# Altium PCB EmitterPCB.PcbDoc
Units mil, origin at the board's own origin, x right, y up, seen from the top; angles counter-clockwise.
Board outline 4305 x 1425 mil, 4 copper layers (Top Layer, Int1 (GND), Int2 (PWR), Bottom Layer), stack 53.912 mil thick; 53 components, 40 nets, 212 pads, 64 vias.
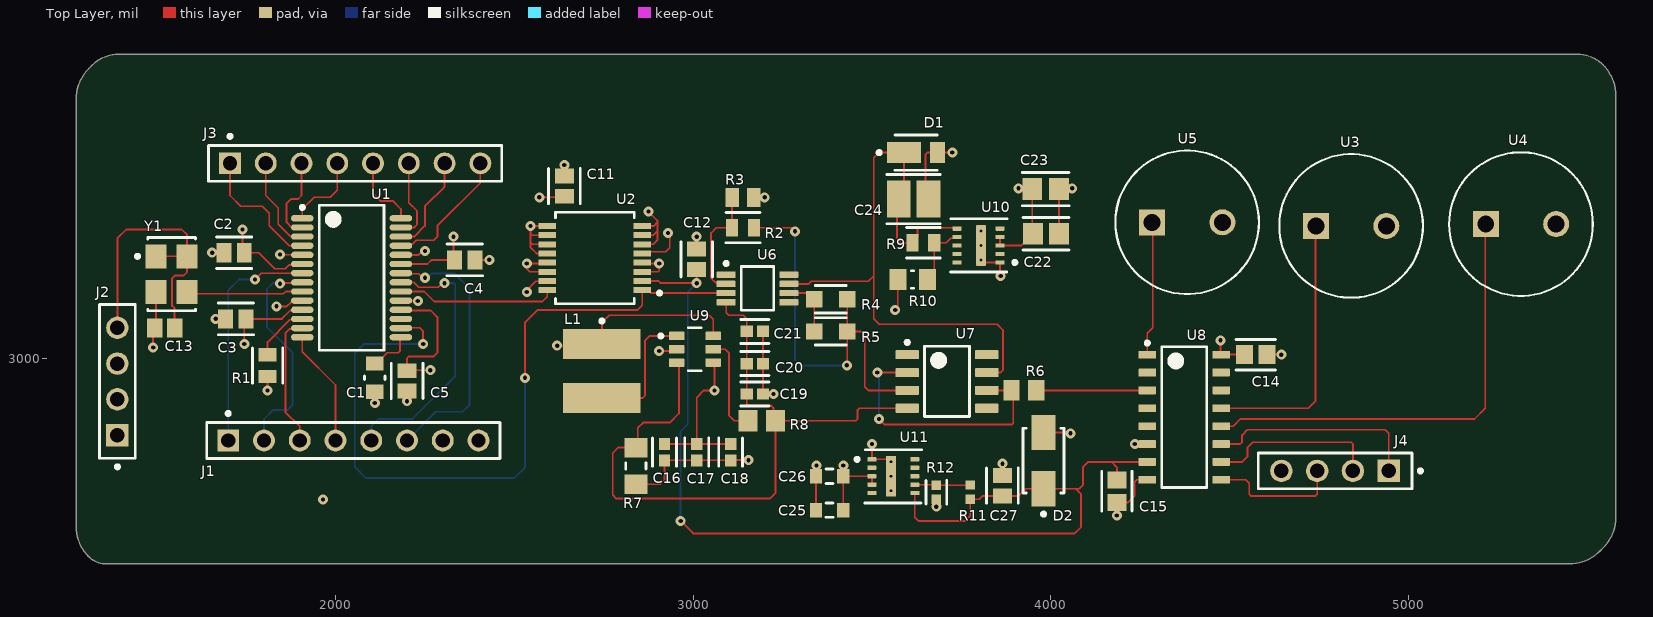
[diagram p0: Top Layer view]
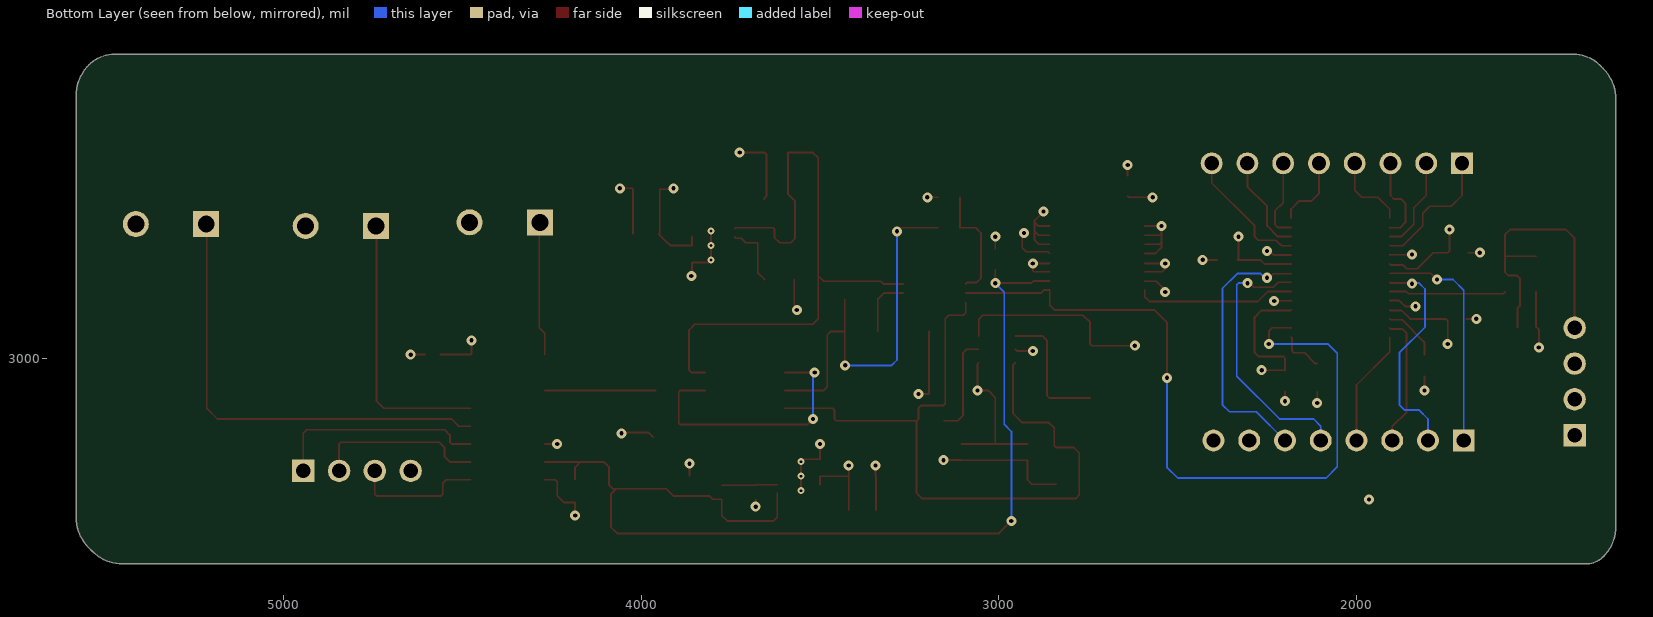
[diagram p1: Bottom Layer view, seen from below]
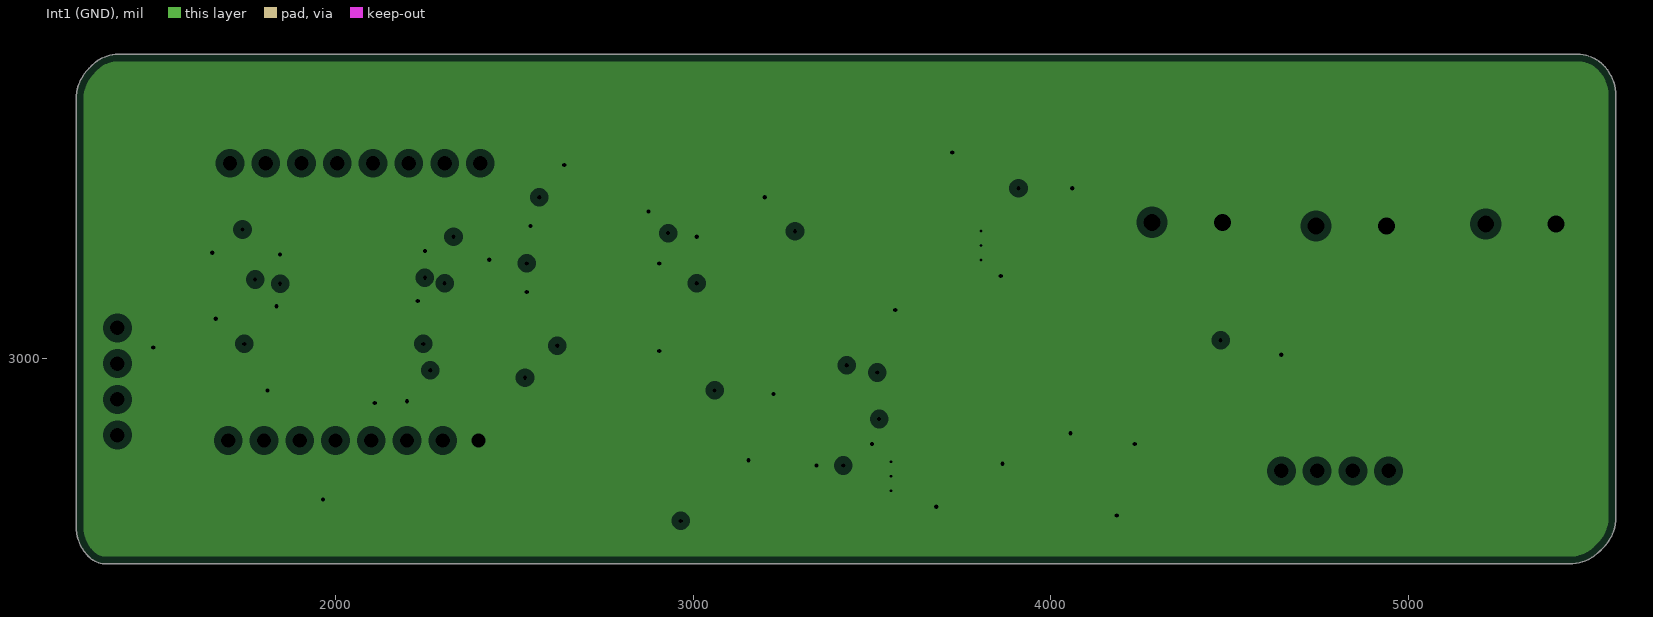
[diagram p2: Int1 (GND), clearances drawn from the general rule]
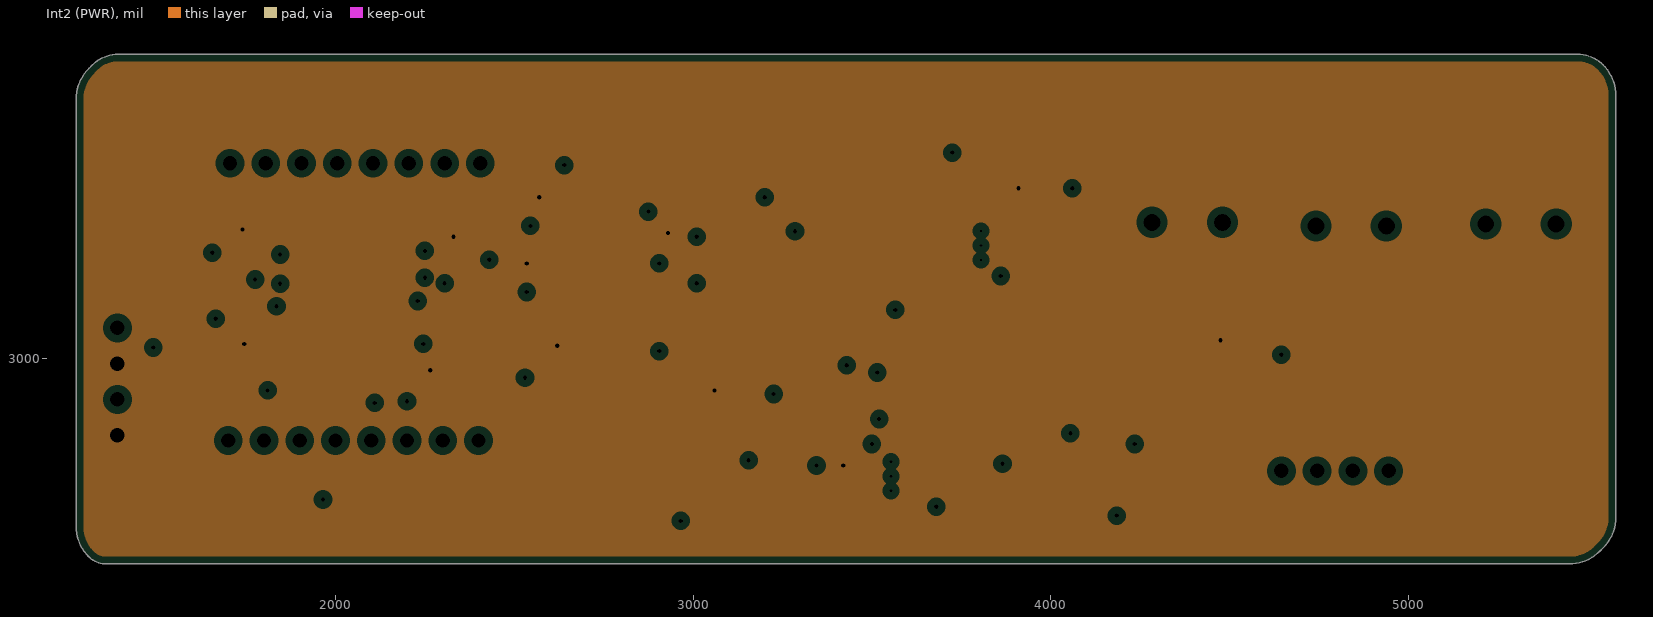
[diagram p3: Int2 (PWR), clearances drawn from the general rule]
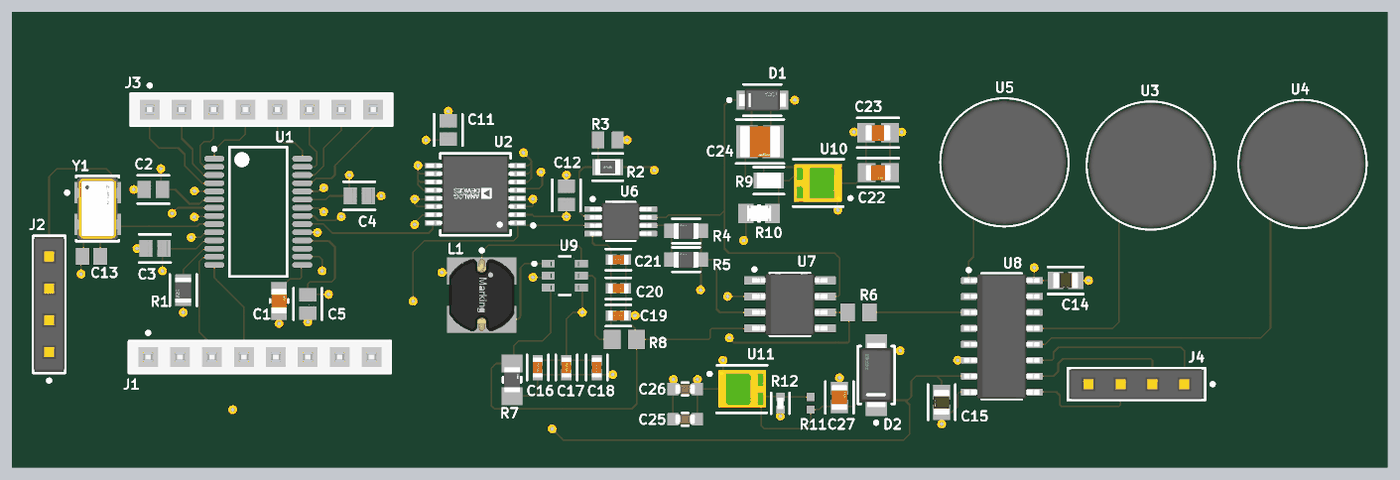
[diagram p4: 3D render of the assembled board from above, using the file's embedded part models]

## Layer stack, top to bottom
Top Solder: solder mask 1, SM-001, Dk 4
Top Layer: signal copper 1.378
Dielectric 1: prepreg 5.1, PP-017, Dk 4.3
Dielectric 2: prepreg 5.1, PP-017, Dk 4.3
Int1 (GND): plane copper 1.378, net GND
Dielectric 3: core 28, Core-039, Dk 4.8
Int2 (PWR): plane copper 1.378, net +5
Dielectric 4: prepreg 5.1, PP-017, Dk 4.3
Dielectric 5: prepreg 5.1, PP-017, Dk 4.3
Bottom Layer: signal copper 1.378
Bottom Solder: solder mask 1, SM-001, Dk 4

## Board outline
1275,2529.5 1275,3725 cw(c1395.71,3725) 1310.36,3810.36 1320,3820 cw(c1392.43,3747.57) 1392.43,3850 5473.08,3850 cw(c5473.08,3748.79) 5544.64,3820.36 cw(c5459.29,3735) 5580,3735 5580,2555 cw(c5459.29,2555) 5544.64,2469.64 5535.36,2460.36 cw(c5450,2545.71) 5450,2425 1358.28,2425 cw(c1358.28,2493.28) 1310,2445 cw(c1394.5,2529.5)

## Design rules (kind name [scope] priority, off if disabled: settings)
Clearance [All] p1: gap=10 ignorepadtopadclearanceinfootprint=FALSE except(3.5: Arc-Arc Arc-Track Track-Track; 5: SMDPad-SMDPad; 13: Arc-THPad Track-THPad; 20: THPad-THPad)
PlaneClearance [All] p1: clearance=20
PlaneConnect [All] p1: planeconnectstyle=Relief reliefexpansion=20 reliefentries=4 reliefconductorwidth=10 reliefairgap=10
PolygonConnect [All] p1: connectstyle=Relief reliefconductorwidth=10 reliefentries=4 polygonreliefangle="90 Angle" airgapwidth=10
RoutingVias RoutingVias_6 [IsVia And InAnyComponent] p1: holewidth=28 width=50 viastyle="Through Hole" minholewidth=28 minwidth=50 maxholewidth=28 maxwidth=50
RoutingVias RoutingVias_5 [IsVia And InAnyNet] p2: holewidth=28 width=50 viastyle="Through Hole" minholewidth=28 minwidth=50 maxholewidth=28 maxwidth=50
RoutingVias RoutingVias_4 [IsVia And InAnyComponent] p3: holewidth=28 width=50 viastyle="Through Hole" minholewidth=28 minwidth=50 maxholewidth=28 maxwidth=50
RoutingVias RoutingVias_3 [IsVia And InAnyNet] p4: holewidth=28 width=50 viastyle="Through Hole" minholewidth=28 minwidth=50 maxholewidth=28 maxwidth=50
RoutingVias RoutingVias_2 [IsVia And InAnyComponent] p5: holewidth=28 width=50 viastyle="Through Hole" minholewidth=28 minwidth=50 maxholewidth=28 maxwidth=50
RoutingVias RoutingVias_1 [(IsVia And InAnyNet Or IsVia And InAnyComponent) And InLayerClass('All Layers')] p6: holewidth=28 width=50 viastyle="Through Hole" minholewidth=28 minwidth=50 maxholewidth=28 maxwidth=50
RoutingVias [All] p7: holewidth=8 width=12 viastyle="Through Hole" minholewidth=6 minwidth=10 maxholewidth=10 maxwidth=14
SolderMaskExpansion [All] p1: expansion=1.5 istentingtop=FALSE
UnRoutedNet [All] p1: checkbadconnections=TRUE
Width [All] p1: maxlimit=10 minlimit=3.5 preferedwidth=5
27 further rules are at their usual default settings.

## Classes and differential pairs
component class -5BuckConverter: C25 C26 C27 D2 R11 R12 U11
component class Ultrasonic_Emitter_Schematic: C1 C2 C3 C4 C5 C11 C12 J1 J2 J3 J4 R1 U1 U2 U3 U4 U5
component class Emitter_Amplifier: C14 C15 C16 C17 C18 C19 C20 C21 C22 C23 C24 D1 L1 R2 R3 R4 R5 R6 R7 R8 R9 R10 U6 U7 U8 U9 U10

## Components (designator, comment, footprint, x,y, rotation, side; value= is the part's Value field where it differs from the comment)
C1 "470p" FP-0805-L_2_01_0_2-W_1_25-MFG 2110,2945.63 r90 top
C2 "0.1u" FP-CL21-IPC_C 1716.43,3295 r180 top
C3 "0.1u" FP-CL21-IPC_C 1721.43,3110 r180 top
C4 "0.1u" FP-CL21-IPC_C 2361.43,3275 r0 top
C5 "0.1u" FP-CL21-IPC_C 2200,2936.43 r270 top
C11 "0.1u" FP-CL21-IPC_C 2640,3481.43 r270 top
C12 "0.1u" FP-CL21-IPC_C 3010,3276.43 r90 top
C13 "0.01uF" CAPC2013X88X50LL20T25 1522.44,3085 r0 top
C14 "HMK212BJ103KG-T" FP-0805-L_2_0_0_1-W_1_25-IPC_B 4573.42,3010 r0 top
C15 "HMK212BJ103KG-T" FP-0805-L_2_0_0_1-W_1_25-IPC_B 4185,2628.42 r270 top
C16 "1uF" FP-0603-L_1_6_0_1-W_0_8_0-IPC_C 2920,2737.28 r270 top
C17 "1uF" FP-0603-L_1_6_0_1-W_0_8_0-IPC_C 3010,2737.28 r270 top
C18 "1uF" FP-0603-L_1_6_0_1-W_0_8_0-IPC_C 3105,2737.28 r270 top
C19 "1uF" FP-0603-L_1_6_0_1-W_0_8_0-IPC_C 3172.72,2900 r0 top
C20 "1uF" FP-0603-L_1_6_0_1-W_0_8_0-IPC_C 3172.72,2985 r0 top
C21 "1uF" FP-0603-L_1_6_0_1-W_0_8_0-IPC_C 3172.72,3075 r0 top
C22 "10uF" FP-GRM21B-0_15-IPC_A 3986.68,3347.76 r0 top
C23 "10uF" FP-0805-L_2_0_0_2-W_1_25-IPC_A 3985.64,3472.76 r0 top
C24 "47uF" FP-GRM32E-0_3-0_2-IPC_C 3616.36,3445 r0 top
C25 "10uF" FP-C1608-080-IPC_A 3381.61,2575 r180 top
C26 "10uF" FP-C1608-080-IPC_A 3381.61,2670 r180 top
C27 "22uF" FP-GRM21B-0_2-e0_2_0_7-IPC_C 3865,2643.57 r90 top
D1 "SBR3U60P1-7" FP-PowerDI123-MFG 3623.46,3575 r180 top
D2 "B340A-13-F" FP-SMA-MFG 3980,2713.74 r90 top
J1 "PPPC081LFBN-RC" SLIN-PPPC081LFBN-RC_V 2050,2770 r0 top
J2 "SSW-104-02-G-S" FP-SSW-104-02-G-S-MFG 1390,2935 r90 top
J3 "PPPC081LFBN-RC" SLIN-PPPC081LFBN-RC_V 2055,3545 r0 top
J4 "SSW-104-02-G-S" FP-SSW-104-02-G-S-MFG 4795,2685 r180 top
L1 "18uH" WE-PD2_5848 2745,2964.21 r270 top
R1 "R1" FP-RMCF0805-IPC_C 1810,2979.46 r270 top (schematic designator R3.9K)
R2 "56K" FP-MCR10-IPC_C 3139.41,3365 r0 top
R3 "1.54K" RESC2013X70X40LL20T20 3139.49,3450 r180 top
R4 "100R" FP-ERJ6EN-MFG 3385,3165 r0 top
R5 "100R" FP-ERJ6EN-MFG 3385,3075 r0 top
R6 "215" RESC2013X70X40NL20T20 3925,2910 r0 top
R7 "71.5K" FP-RG2012-MFG 2840,2698.82 r90 top
R8 "649k" RESC2013X70X40ML20T20 3191.61,2825 r180 top
R9 "178KR" FP-CR0805-IPC_C 3643.74,3322.76 r180 top
R10 "25.5KR" FP-CRCW0805-e3-IPC_A 3613.63,3220 r0 top
R11 "102KR" RESC1005X40X25ML05T05 3775,2625.32 r270 top
R12 "25.5KR" FP-CRCW0402-e3-IPC_A 3680,2625.23 r90 top
U1 "AD9850BRS" ADI-RS-28_L 2045,3225 r0 top
U2 "LTC1564CG#PBF" FP-G-16-05-08-1640-MFG 2725,3280 r180 top
U3 "MA40S4S" FP-MA40S4S-MFG 4840,3370 r0 top
U4 "MA40S4S" FP-MA40S4S-MFG 5315,3375 r0 top
U5 "MA40S4S" FP-MA40S4S-MFG 4381.57,3380 r0 top
U6 "OPA1641AIDGKT" DGK0008A_N 3180,3195 r0 top
U7 "TL071CDR" D0008A_M 3710,2935 r0 top
U8 "CD74HC4051MM96EP" D0016A_L 4373.35,2835 r0 top
U9 "TLV61046ADBVR" FP-DBV0006A-MFG 3005,3025 r0 top
U10 "LMZM23601SILR" FP-SIL0010A-MFG 3798.11,3315 r180 top
U11 "LMZM23601SILR" FP-SIL0010A-MFG 3560,2670 r0 top
Y1 "ASFL1-125.000MHZ-EC-T" FP-ASFL1-MFG 1541.69,3235 r270 top

## Footprints (in the part's own frame and the unit in brackets; to place one, negate y for a bottom-side part, rotate by r counter-clockwise, add the part's x,y. Pads: shape width x height; smd on the part's side, far side on the other; paste and mask are expansions set on the pad)
ADI-RS-28_L [mm] "SOP, 28-Leads, Body 10.2x5.3mm, Pitch 0.65mm, IPC High Density"
  oval 1.6x0.45 smd: 1(-3.5,4.225) 2(-3.5,3.575) 3(-3.5,2.925) 4(-3.5,2.275) 5(-3.5,1.625) 6(-3.5,0.975) 7(-3.5,0.325) 8(-3.5,-0.325) 9(-3.5,-0.975) 10(-3.5,-1.625) 11(-3.5,-2.275) 12(-3.5,-2.925) 13(-3.5,-3.575) 14(-3.5,-4.225) 15(3.5,-4.225) 16(3.5,-3.575) 17(3.5,-2.925) 18(3.5,-2.275) 19(3.5,-1.625) 20(3.5,-0.975) 21(3.5,-0.325) 22(3.5,0.325) 23(3.5,0.975) 24(3.5,1.625) 25(3.5,2.275) 26(3.5,2.925) 27(3.5,3.575) 28(3.5,4.225)
  silkscreen extent -3.62,-5.15 2.3,5.15, body extent -2.69,-5.17 2.69,5.17, height 1.98
CAPC2013X88X50LL20T25 [mm] "Chip Capacitor, 2-Leads, Body 2.00x1.25mm, IPC High Density"
  rect 1.1x1.35 smd: 1(-0.7,0) 2(0.7,0)
  body extent -1.1,-0.72 1.1,0.72, height 0.88
D0008A_M [mm] "SOIC, 8-Leads, Body 5x4mm, Pitch 1.27mm, IPC Low Density"
  rrect15% 1.65x0.65 smd: 1(-2.825,1.905) 2(-2.825,0.635) 3(-2.825,-0.635) 4(-2.825,-1.905) 5(2.825,-1.905) 6(2.825,-0.635) 7(2.825,0.635) 8(2.825,1.905)
  silkscreen extent -2.95,-2.5 1.6,2.9, body extent -3,-2.45 3,2.45, height 1.63
D0016A_L [mm] "SOIC, 16-Leads, Body 10x4mm, Pitch 1.27mm, IPC High Density"
  rrect18% 1.25x0.55 smd: 1(-2.625,4.445) 2(-2.625,3.175) 3(-2.625,1.905) 4(-2.625,0.635) 5(-2.625,-0.635) 6(-2.625,-1.905) 7(-2.625,-3.175) 8(-2.625,-4.445) 9(2.625,-4.445) 10(2.625,-3.175) 11(2.625,-1.905) 12(2.625,-0.635) 13(2.625,0.635) 14(2.625,1.905) 15(2.625,3.175) 16(2.625,4.445)
  silkscreen extent -2.75,-5 1.6,5.39, body extent -3,-4.95 3,4.95, height 1.59
DGK0008A_N [mm] "TSOP, 8-Leads, Body 3.1x3.1mm, Pitch 0.65mm, IPC Medium Density"
  rrect22% 1.35x0.45 smd: 1(-2.225,0.975) 2(-2.225,0.325) 3(-2.225,-0.325) 4(-2.225,-0.975) 5(2.225,-0.975) 6(2.225,-0.325) 7(2.225,0.325) 8(2.225,0.975)
  silkscreen extent -2.35,-1.55 1.15,1.9, body extent -2.45,-1.5 2.45,1.5, height 0.94
FP-0603-L_1_6_0_1-W_0_8_0-IPC_C [mil]
  rect 33.77x31.97 smd paste+0 mask+0: 1(-22.72,0) 2(22.72,0)
  silkscreen extent -40,-33 40,33, body extent -44,-22 44,22, height 10
FP-0805-L_2_0_0_1-W_1_25-IPC_B [mil]
  rect 47.55x53.63 smd paste+0 mask+0: 1(-31.58,0) 2(31.58,0)
  silkscreen extent -55,-43 55,43, body extent -65,-37 65,37, height 10
FP-0805-L_2_0_0_2-W_1_25-IPC_A [mil]
  rect 55.42x61.5 smd paste+0 mask+0: 1(-37.49,0) 2(37.49,0)
  silkscreen extent -65,-46 65,46, body extent -85,-50 85,50, height 10
FP-0805-L_2_01_0_2-W_1_25-MFG [mm]
  rect 1x1.25 smd paste+0 mask+0: 1(-1,0) 2(1,0)
  silkscreen extent -0.13,-0.72 0.13,0.72, body extent -1.6,-0.82 1.6,0.82, height 0.25
FP-ASFL1-MFG [mm]
  rect 1.7x1.5 smd paste+0 mask+0: 1(-1.27,-1.1) 2(1.27,-1.1) 3(1.27,1.1) 4(-1.27,1.1)
  silkscreen extent -2.6,-2.54 2.6,1.7, body extent -2.7,-1.95 2.7,1.95, height 0.25
FP-C1608-080-IPC_A [mm]
  rect 0.862x1.012 smd paste+0 mask+0: 1(-0.975,0) 2(0.975,0)
  silkscreen extent -0.24,-0.51 0.24,0.51, body extent -1.91,-1.01 1.91,1.01, height 0.25
FP-CL21-IPC_C [mil]
  rect 41.52x53.39 smd paste+0 mask+0: 1(-28.57,0) 2(28.57,0)
  silkscreen extent -49,-44 49,44, body extent -53,-32 53,32, height 10
FP-CR0805-IPC_C [mil]
  rect 33.79x49.69 smd paste+0 mask+0: 1(-30.59,0) 2(30.59,0)
  silkscreen extent -47,-42 47,42, body extent -51,-31 51,31, height 10
FP-CRCW0402-e3-IPC_A [mil]
  rect 26.31x26.48 smd paste+0 mask+0: 1(-19.77,0) 2(19.77,0)
  silkscreen extent -33,-29 33,29, body extent -41,-21 41,21, height 10
FP-CRCW0805-e3-IPC_A [mil]
  rect 47.5x59.38 smd paste+0 mask+0: 1(-41.37,0) 2(41.37,0)
  silkscreen extent -3,-25 3,25, body extent -85,-49 85,49, height 10
FP-DBV0006A-MFG [mm]
  rrect17% 1.1x0.6 smd paste+0 mask+0: 1(-1.3,0.95) 2(-1.3,0) 3(-1.3,-0.95) 4(1.3,-0.95) 5(1.3,0) 6(1.3,0.95)
  silkscreen extent -2.55,-1.53 0.45,1.53, body extent -1.95,-1.78 1.95,1.78, height 0.25
FP-ERJ6EN-MFG [mm]
  rect 1.15x1.15 smd paste+0 mask+0: 1(-1.175,0) 2(1.175,0)
  silkscreen extent -1.1,-0.97 1.1,0.97, body extent -1.85,-0.77 1.85,0.77, height 0.25
FP-G-16-05-08-1640-MFG [mm]
  rect 1.25x0.42 smd paste+0 mask+0: 1(-3.375,2.275) 2(-3.375,1.625) 3(-3.375,0.975) 4(-3.375,0.325) 5(-3.375,-0.325) 6(-3.375,-0.975) 7(-3.375,-1.625) 8(-3.375,-2.275) 9(3.375,-2.275) 10(3.375,-1.625) 11(3.375,-0.975) 12(3.375,-0.325) 13(3.375,0.325) 14(3.375,0.975) 15(3.375,1.625) 16(3.375,2.275)
  silkscreen extent -4.73,-3.25 2.8,3.25, body extent -4.1,-3.5 4.1,3.5, height 0.25
FP-GRM21B-0_2-e0_2_0_7-IPC_C [mil]
  rect 41.52x53.39 smd paste+0 mask+0: 1(-28.57,0) 2(28.57,0)
  silkscreen extent -49,-44 49,44, body extent -53,-32 53,32, height 10
FP-GRM21B-0_15-IPC_A [mil]
  rect 55.34x59.38 smd paste+0 mask+0: 1(-36.47,0) 2(36.47,0)
  silkscreen extent -64,-45 64,45, body extent -84,-49 84,49, height 10
FP-GRM32E-0_3-0_2-IPC_C [mil]
  rect 67.04x102.61 smd paste+0 mask+0: 1(-41.36,0) 2(41.36,0)
  silkscreen extent -75,-69 75,69, body extent -79,-57 79,57, height 10
FP-MA40S4S-MFG [mm]
  rect 1.85x1.85 hole 1.2 paste-2539.97 mask+0: 1(-2.5,0)
  round 1.85 hole 1.2 paste-2539.97 mask+0: 2(2.5,0)
  silkscreen extent -5.1,-5.1 5.1,5.1, body extent -5.2,-5.2 5.2,5.2, height 0.25
FP-MCR10-IPC_C [mil]
  rect 33.79x49.69 smd paste+0 mask+0: 1(-30.59,0) 2(30.59,0)
  silkscreen extent -47,-42 47,42, body extent -51,-31 51,31, height 10
FP-PowerDI123-MFG [mm]
  rect 2.4x1.5 smd paste+0 mask+0: 1(0.85,0)
  rect 1.05x1.5 smd paste+0 mask+0: 2(-1.525,0)
  silkscreen extent -1.5,-1.25 2.75,1.25, body extent -2.15,-1.06 2.15,1.06, height 0.25
FP-RG2012-MFG [mm]
  rect 1.4x1.65 smd paste+0 mask+0: 1(-1.3,0) 2(1.3,0)
  silkscreen extent -0.22,-0.72 0.22,0.72, body extent -2.1,-0.92 2.1,0.92, height 0.25
FP-RMCF0805-IPC_C [mil]
  rect 37.58x49.69 smd paste+0 mask+0: 1(-30.54,0) 2(30.54,0)
  silkscreen extent -49,-42 49,42, body extent -53,-31 53,31, height 10
FP-SIL0010A-MFG [mm]
  rrect33% 0.65x0.3 smd paste+0 mask+0: 1(-1.525,1.2) 2(-1.525,0.6) 3(-1.525,0) 4(-1.525,-0.6) 5(-1.525,-1.2) 6(1.525,-1.2) 7(1.525,-0.6) 8(1.525,0) 9(1.525,0.6) 10(1.525,1.2)
  rrect14% 0.7x2.9 smd paste-1000 mask+0: 11(-0.175,0)
  silkscreen extent -2.7,-1.9 2,1.88, body extent -2.05,-1.65 2.05,1.65, height 0.25
FP-SMA-MFG [mm]
  rect 2.5x1.7 smd paste+0 mask+0: 1(-2,0) 2(2,0)
  silkscreen extent -3.92,-1.46 2.3,1.46, body extent -3.35,-1.56 3.35,1.56, height 0.25
FP-SSW-104-02-G-S-MFG [mm]
  rect 1.59x1.59 hole 1.04 paste-2539.97 mask+0: 1(-3.81,0)
  round 1.59 hole 1.04 paste-2539.97 mask+0: 2(-1.27,0) 3(1.27,0) 4(3.81,0)
  silkscreen extent -6.18,-1.27 5.46,1.27, body extent -5.56,-1.37 5.56,1.37, height 0.25
RESC1005X40X25ML05T05 [mm] "Chip Resistor, 2-Leads, Body 1.00x0.50mm, IPC Low Density"
  rect 0.65x0.65 smd: 1(-0.5,0) 2(0.5,0)
  body extent -0.53,-0.27 0.53,0.28, height 0.4
RESC2013X70X40LL20T20 [mm] "Chip Resistor, 2-Leads, Body 2.00x1.25mm, IPC High Density"
  rect 0.95x1.35 smd: 1(-0.775,0) 2(0.775,0)
  body extent -1.1,-0.72 1.1,0.72, height 0.7
RESC2013X70X40ML20T20 [mm] "Chip Resistor, 2-Leads, Body 2.00x1.25mm, IPC Low Density"
  rect 1.35x1.55 smd: 1(-0.975,0) 2(0.975,0)
  body extent -1.1,-0.72 1.1,0.72, height 0.7
RESC2013X70X40NL20T20 [mm] "Chip Resistor, 2-Leads, Body 2.00x1.25mm, IPC Medium Density"
  rect 1.15x1.45 smd: 1(-0.875,0) 2(0.875,0)
  body extent -1.1,-0.72 1.1,0.72, height 0.7
SLIN-PPPC081LFBN-RC_V [mm] "THD, 8-Leads, Body 20.82x2.54mm, Pitch 2.54mm"
  rect 1.55x1.55 hole 1.02: 1(-8.89,0)
  round 1.55 hole 1.02: 2(-6.35,0) 3(-3.81,0) 4(-1.27,0) 5(1.27,0) 6(3.81,0) 7(6.35,0) 8(8.89,0)
  silkscreen extent -10.41,-1.27 10.41,2.04, body extent -10.41,-1.27 10.41,1.27, height 8.5
WE-PD2_5848 [mm] "SMD Power Inductor, 2-Leads, body 5.8x5.2mm"
  rect 2.15x5.5 smd: 1(-1.925,0) 2(1.925,0)
  silkscreen extent -3.67,-0.12 -3.43,0.13, body extent -2.9,-2.6 2.89,2.6, height 4.48

## Part data
C1: library part CMP-1036-02691-3, "General Purpose Ceramic Capacitor, 0805, 470pF, 5%, C0G, 30ppm/°C, 200V", Capacitance=470pF, Case Code (Imperial)=0805, Case Code (Metric)=2012, Dielectric=C0G, Max Operating Temperature=125°C, Min Operating Temperature=-55°C, Package Quantity=1, Temperature Coefficient=30ppm/°C, Tolerance=5%, Voltage=200V, Case/Package=0805, Construction=Flat, Depth=1.25mm, Dissipation Factor=10%, Height=1.27mm, Lead Free="Lead Free", Length=2.01mm, Mount="Surface Mount", Number of Pins=2, Packaging="Tape and Reel", Radiation Hardening=No, REACH SVHC="No SVHC", RoHS Compliant=Yes, Series=-, Termination=SMD/SMT, Thickness=0.05inch, Voltage Rating=200V, Voltage Rating (DC)=200V, Width=1.25mm
C2 C3 C4 C5 C11 C12: library part CMP-13271-002094-1, "CL21 Series 0805 100nF 25V -20/+80% Tolerance Y5V Multilayer Ceramic Chip Capacitor", Capacitance=100nF, Case Code (Imperial)=0805, Case Code (Metric)=2012, Dielectric=Y5V, Max Operating Temperature=85°C, Min Operating Temperature=-30°C, Package Quantity=1, Tolerance=80%, Voltage Rating=25V, Case/Package=0805, Depth=1.25mm, Height=0.65mm, Lead Free="Lead Free", Length=2mm, Mount="Surface Mount", Packaging="Tape and Reel", Radiation Hardening=No, Thickness=0.03inch, Voltage Rating (DC)=25V, Width=0.049inch
C13: library part CMP-2007-00266-1, Manufacturer=Kemet, Part Number=C0805C103K5RACTU
C14 C15: library part CMP-14477-005128-2, "Multilayer Ceramic Capacitor 0.01 uF 100V B 10% SMD 0805 T/R", Capacitance=10nF, Case/Package=Ceramic, Dielectric=X5R, Max Operating Temperature=85°C, Min Operating Temperature=-55°C, Tolerance=10%, Voltage=100V, Depth=1.25mm, Halogen Free="Halogen Free", Height=1.25mm, Lead Free="Lead Free", Length=2mm, Mount="Surface Mount", Packaging="Tape and Reel", Radiation Hardening=No, RoHS Compliant=Yes, Voltage Rating (DC)=100V, Width=1.25mm
C16 C17 C18 C19 C20 C21: library part CMP-14477-000018-3, "None", Case Code (Imperial)=0603, Case Code (Metric)=1608, Dielectric=X7R, Max Operating Temperature=125°C, Min Operating Temperature=-55°C, Package Quantity=1, Resistor Type=Ceramic, Tolerance=10%, Voltage Rating=16V, Capacitance=1uF, Case/Package=0603, Construction=Flat, Contact Plating=Nickel, Depth=0.8mm, Halogen Free="Halogen Free", Height=0.8mm, Lead Free="Lead Free", Length=1.6mm, Mount="Surface Mount", Number of Pins=2, Packaging="Tape and Reel", Radiation Hardening=No, REACH SVHC="No SVHC", RoHS Compliant=Yes, Series=M, Termination=SMD/SMT, Thickness=0.035inch, Voltage Rating (DC)=16V, Width=0.031inch
C22: library part CMP-06035-013048-1, "Chip Multilayer Ceramic Capacitors for General Purpose, 0805, 10uF, X5R, 15%, 20%, 25V", Case Code (Imperial)=0805, Case Code (Metric)=2012, Dielectric=X5R, Max Operating Temperature=85°C, Min Operating Temperature=-55°C, Package Quantity=3000, Resistor Type=Ceramic, Tolerance=20%, Voltage Rating=25V, Capacitance=10uF, Case/Package=0805, Depth=1.25mm, Height=1.25mm, Lead Free="Lead Free", Length=2mm, Mount="Surface Mount", Packaging="Tape and Reel", REACH SVHC="No SVHC", Termination=SMD/SMT, Thickness=0.055inch, Voltage Rating (DC)=25V, Weight=0.000335oz, Width=0.049inch
C23: library part CMP-14477-004821-2, "Multilayer Ceramic Capacitor 10uF 35V X5R 10% SMD 0805 T/R", Case Code (Imperial)=0805, Case Code (Metric)=2012, Max Operating Temperature=85°C, Min Operating Temperature=-55°C, Tolerance=10%, Voltage Rating=35V, Capacitance=10uF, Case/Package=0805, Lead Free="Lead Free", Mount="Surface Mount", Packaging="Cut Tape", RoHS Compliant=Yes
C24: library part CMP-2000-06362-2, "CAP CER 47UF 16V X5R 1210", Case Code (Imperial)=1210, Case Code (Metric)=3225, Dielectric=X5R, Max Operating Temperature=85°C, Min Operating Temperature=-55°C, Package Quantity=1, Tolerance=10%, Voltage=16V, Capacitance=47uF, Case/Package=1210, Depth=2.5mm, Height=2.5mm, Lead Free="Lead Free", Length=3.2mm, Material=Ceramic, Mount="Surface Mount", Number of Pins=2, Packaging="Cut Tape", Radiation Hardening=No, REACH SVHC="No SVHC", RoHS Compliant=Yes, Termination=SMD/SMT, Thickness=0.106inch, Voltage Rating=16V, Voltage Rating (DC)=16V, Width=0.098inch
C25 C26: library part CMP-2000-05442-2, "CAP CER 10UF 25V X5R 0603", Case Code (Imperial)=0603, Case Code (Metric)=1608, Dielectric=X5R, Dielectric Material=Ceramic, Max Operating Temperature=85°C, Min Operating Temperature=-55°C, Package Quantity=1, Tolerance=20%, Voltage Rating=25V, Capacitance=10uF, Case/Package=0603, Construction=Flat, Depth=0.8mm, Height=0.8mm, Lead Free="Lead Free", Length=1.6mm, Mount="Surface Mount", Packaging="Tape and Reel", REACH SVHC="No SVHC", Resistor Type=Ceramic, RoHS Compliant=Yes, Series=C, Termination=SMD/SMT, Thickness=0.039inch, Voltage Rating (DC)=25V, Weight=7.1E-05oz, Width=0.8mm
C27: library part CMP-06035-039918-1, "Chip Multilayer Ceramic Capacitors for General Purpose, 0805, 22uF, X5R, 15%, 20%, 10V", Case Code (Imperial)=0805, Case Code (Metric)=2012, Dielectric=X5R, Dielectric Material=Ceramic, Max Operating Temperature=85°C, Min Operating Temperature=-55°C, Package Quantity=3000, Tolerance=20%, Voltage=10V, Capacitance=22uF, Case/Package=0805, Depth=1.25mm, Dissipation Factor=0.035%, Height=1.25mm, Lead Free="Lead Free", Length=2mm, Mount="Surface Mount", Packaging="Tape and Reel", Resistor Type=Ceramic, Termination=SMD/SMT, Thickness=0.057inch, Voltage Rating=10V, Voltage Rating (DC)=10V, Weight=0.000335oz, Width=1.25mm